# KiCad board PMK_Keyboard_HW01.kicad_pcb (continued)
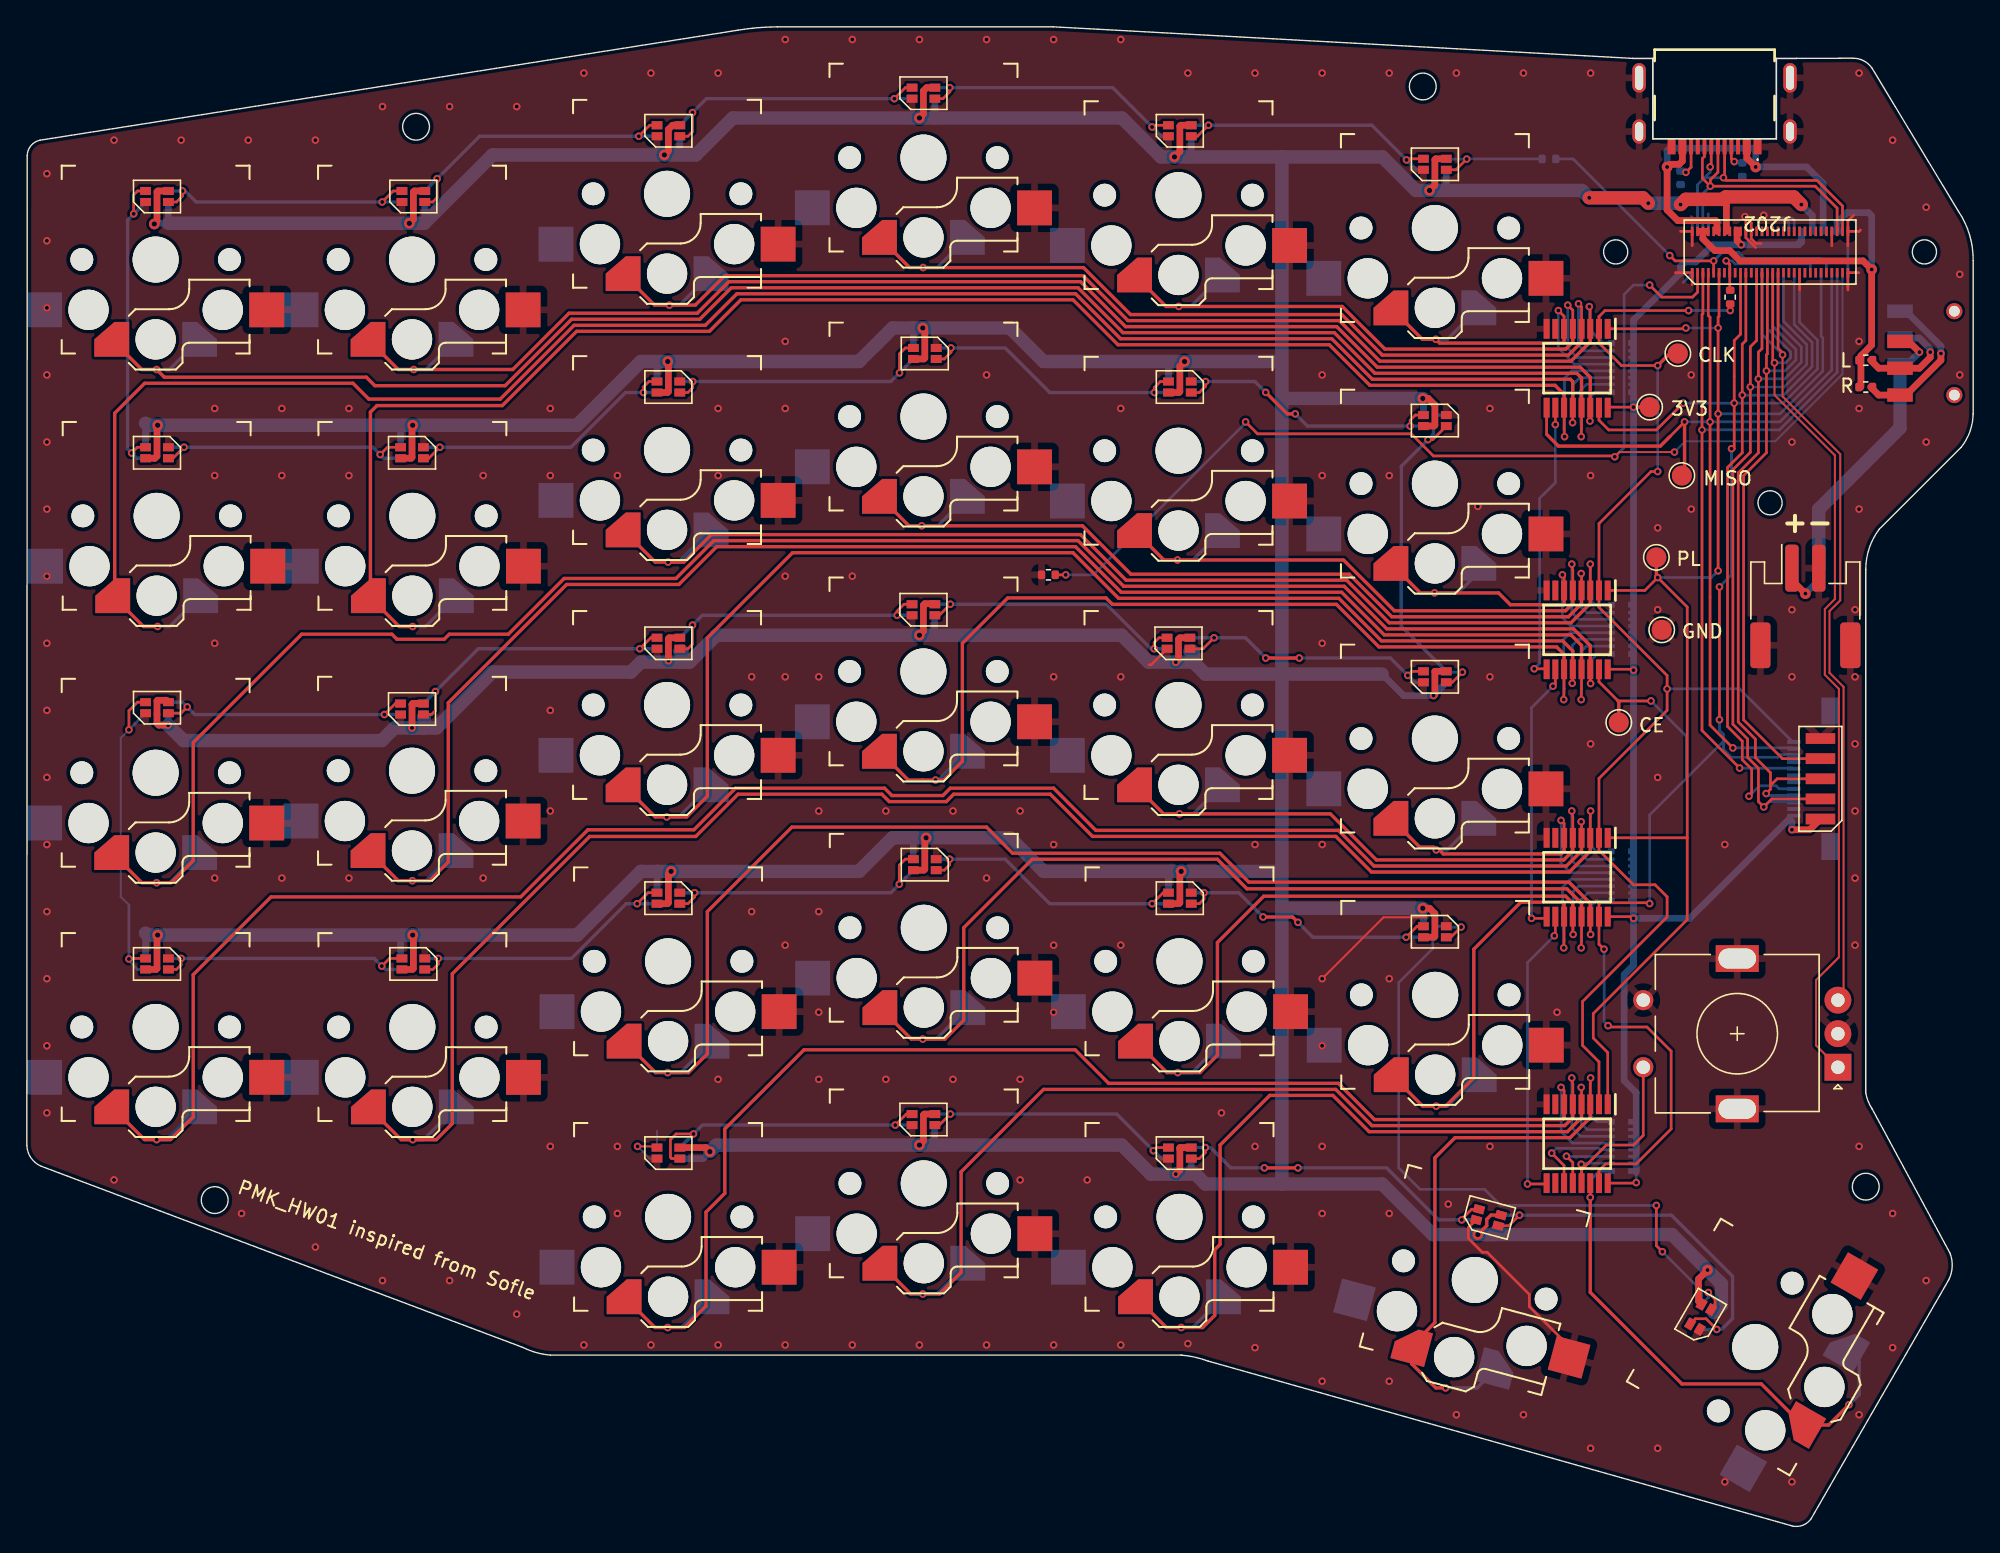
[diagram p0: board, top side]
## Routing (per net, layer and track width the routed paths; a pad name or vN(x,y) marks a point on that pad's centre or on a via; arc(x,y) is an arc through that point) (continued)
Net-(D512-DO): length 26.8
  Top w0.2: v1(104.38,80.98) 104.73,80.98 D512.4 ; v1(106.94,63.65) 106.18,62.89 D513.3
  Bottom w0.2: D513.3 105.8,63.65 v1(106.94,63.65)
  Bottom w0.25: D513.3 102.39,67.06 102.39,78.99 v1(104.38,80.98) 104.79,81.39 104.79,82.51 105.09,82.81 D512.4
Net-(D514-DO): length 21.7
  Top w0.2: v1(83.98,65.39) 83.98,65.85 84.34,66.21 D514.4 ; D515.3 67.97,67.89 v1(68.79,68.71)
  Bottom w0.25: D515.3 v1(68.79,68.71) 80.42,68.71 83.74,65.39 v1(83.98,65.39) D514.4
Net-(D515-DO): length 22.1
  Top w0.2: D515.4 65.34,68.71 64.82,68.19 64.82,67.9 v1(64.83,67.89) ; D516.3 49.24,65.39 49.59,65.74 v1(49.59,67.16)
  Bottom w0.25: D516.3 v1(49.59,67.16) 50.32,67.89 v1(64.83,67.89) D515.4
Net-(D516-DO): length 23.1
  Top w0.2: D517.3 30.14,60.49 30.44,60.79 v1(30.44,62.21) ; v1(45.66,65.39) 46.48,66.21 D516.4
  Bottom w0.25: D517.3 v1(30.44,62.21) 33.62,65.39 v1(45.66,65.39) D516.4
Net-(D517-DO): length 20.8
  Top w0.2: D517.4 27.45,61.31 v1(26.63,60.49) ; v1(11.95,61.06) 11.48,60.59 D518.3
  Bottom w0.25: D518.3 11.59,61.41 v1(11.95,61.06) 12.51,60.49 v1(26.63,60.49) D517.4
Net-(D518-DO): length 25.2
  Top w0.2: D519.3 7.65,42.31 v1(7.61,42.27) ; D518.4 8.24,61.41 7.61,60.78 v1(7.61,59.36)
  Bottom w0.15: v1(7.61,59.36) 6.99,58.74 6.99,46.92 7.61,46.3
  Bottom w0.2: v1(7.61,59.36) D518.4 ; 7.61,46.3 v1(7.61,42.27) 7.61,42.13 8.24,41.49 D519.3
Net-(D519-DO): length 21
  Top w0.2: D519.4 11.14,41.49 11.49,41.84 v1(11.49,42.31) ; v1(26.44,41.74) 27.01,42.31 D520.3
  Bottom w0.25: D519.4 v1(11.49,42.31) 25.87,42.31 v1(26.44,41.74) 26.69,41.49 D520.3
Net-(D520-DO): length 22.4
  Top w0.2: D521.3 46.28,47.21 v1(45.46,46.39) ; v1(30.64,42.31) 30.64,41.89 30.24,41.49 D520.4
  Bottom w0.25: D521.3 v1(45.46,46.39) 44.65,46.39 40.57,42.31 v1(30.64,42.31) D520.4
Net-(D521-DO): length 22.4
  Top w0.2: v1(49.74,47.21) 49.74,46.89 49.24,46.39 D521.4 ; D522.3 65.44,49.71 64.99,49.26 v1(64.99,47.84)
  Bottom w0.25: D522.3 v1(64.99,47.84) 64.36,47.21 v1(49.74,47.21) D521.4
Net-(D522-DO): length 21.8
  Top w0.2: v1(68.74,49.71) 68.74,49.29 68.34,48.89 D522.4 ; D523.3 84.65,47.21 v1(83.83,46.39)
  Bottom w0.25: D522.4 v1(68.74,49.71) 72.88,49.71 76.2,46.39 v1(83.83,46.39) D523.3
Net-(D523-DO): length 21.9
  Top w0.2: D523.4 87.34,46.39 87.69,46.74 v1(87.69,47.21) ; D524.3 103.57,44.71 v1(102.75,43.89)
  Top w0.25: v1(92.09,45.4) 94.29,45.4 v1(94.69,45)
  Bottom w0.25: D523.4 v1(87.69,47.21) 90.28,47.21 v1(92.09,45.4) ; v1(94.69,45) 95.8,43.89 v1(102.75,43.89) D524.3
Net-(D524-DO): length 54.2
  Top w0.2: v1(125.27,17.41) 125.77,16.91 125.77,16.43 D525.3 ; v1(121.39,23.9) 121.39,20.9 v1(121.84,20.45) ; D524.4 106.08,43.89 v1(106.84,44.65)
  Bottom w0.2: v1(121.39,23.9) 109.79,23.9 108.59,25.1 103.79,25.1 102.19,26.7 102.19,40.5 104.74,43.05 104.74,44.31 105.14,44.71 D524.4 105.8,44.65 v1(106.84,44.65) ; v1(125.27,17.41) 125.27,17.05 D525.3 124.76,17.53 v1(121.84,20.45)
Net-(D525-DO): length 29.4
  Top w0.2: v1(111.19,23.18) 110.4,22.39 D526.3 ; D525.4 124.3,15.46 125.1,15.46 v1(125.89,14.66)
  Bottom w0.25: D526.3 v1(111.19,23.18) 122.52,23.18 127.07,18.63 127.07,15.48 126.25,14.66 v1(125.89,14.66) D525.4
Net-(D527-DO): length 21.5
  Top w0.2: v1(68.79,30.71) 67.97,29.89 D528.3 ; v1(83.92,27.98) 84.15,28.21 D527.4
  Bottom w0.25: D528.3 v1(68.79,30.71) 81.19,30.71 v1(83.92,27.98) 84.51,27.39 D527.4
Net-(D528-DO): length 23.5
  Top w0.2: D528.4 65.51,30.71 v1(64.69,29.89) ; D529.3 48.04,27.39 47.94,27.49 47.94,28.81 48.36,29.23 v1(49.66,29.23)
  Bottom w0.25: D528.4 v1(64.69,29.89) 50.32,29.89 v1(49.66,29.23) D529.3
Net-(J306-Pin_1): length 23
  Top w0.5: 140.19,88.3 v1(140.99,87.5) ; 131.49,70.5 v2(132.49,69.5)
  Bottom w0.5: 133.49,70.5 v2(132.49,69.5) ; 140.04,86.55 v1(140.99,87.5)
  Bottom w1: J306.1 133.49,75.8 139.54,81.85 SW301.3
Net-(SW301-A): length 10.8
  Top w0.5: v1(142.59,87.4) 142.59,86.9 139.99,84.3 ; SW301.1 137.95,84.3 137.35,84.9
  Bottom w0.5: 139.99,90.55 142.59,87.95 v1(142.59,87.4)
Net-(SW301-C): length 8
  Top w0.5: v1(141.79,87.5) 141.79,87.1 140.99,86.3 SW301.2 137.95,86.3 137.35,86.9
  Bottom w0.5: SW301.2 140.99,88.55 141.79,87.75
unconnected-(D529-DO-Pad4): length 3.3
  Top w0.15: D529.4 46.85,28.3 v1(45.49,28.3)
  Bottom w0.15: v1(45.49,28.3) 46.4,27.39 D529.4

## Copper pours and planes (outline as drawn; the poured copper is in the pictures)
GND on Top, Bottom: -11.01,118.3 153.99,118.3 153.99,-1.7 -11.01,-1.7

## Text on the board
B.Silkscreen: PMK_HW01 inspired from Sofle | +-
User.Eco1: s6 | s18 | s24 | s12 | s5 | s17 | s23 | s11 | s10 | s4 | s16 | s22 | s30 | s29 | s9 | s3 | s15 | s21 | s8 | s2 | s14 | s20 | s28 | s1 | s7 | s13 | s19 | s27 | s26 | s25
F.Silkscreen: CE | 3V3 | PL | GND | CLK | MISO | L | R | PMK_HW01 inspired from Sofle | +-
